# KiCad board line follower simple.kicad_pcb (continued)
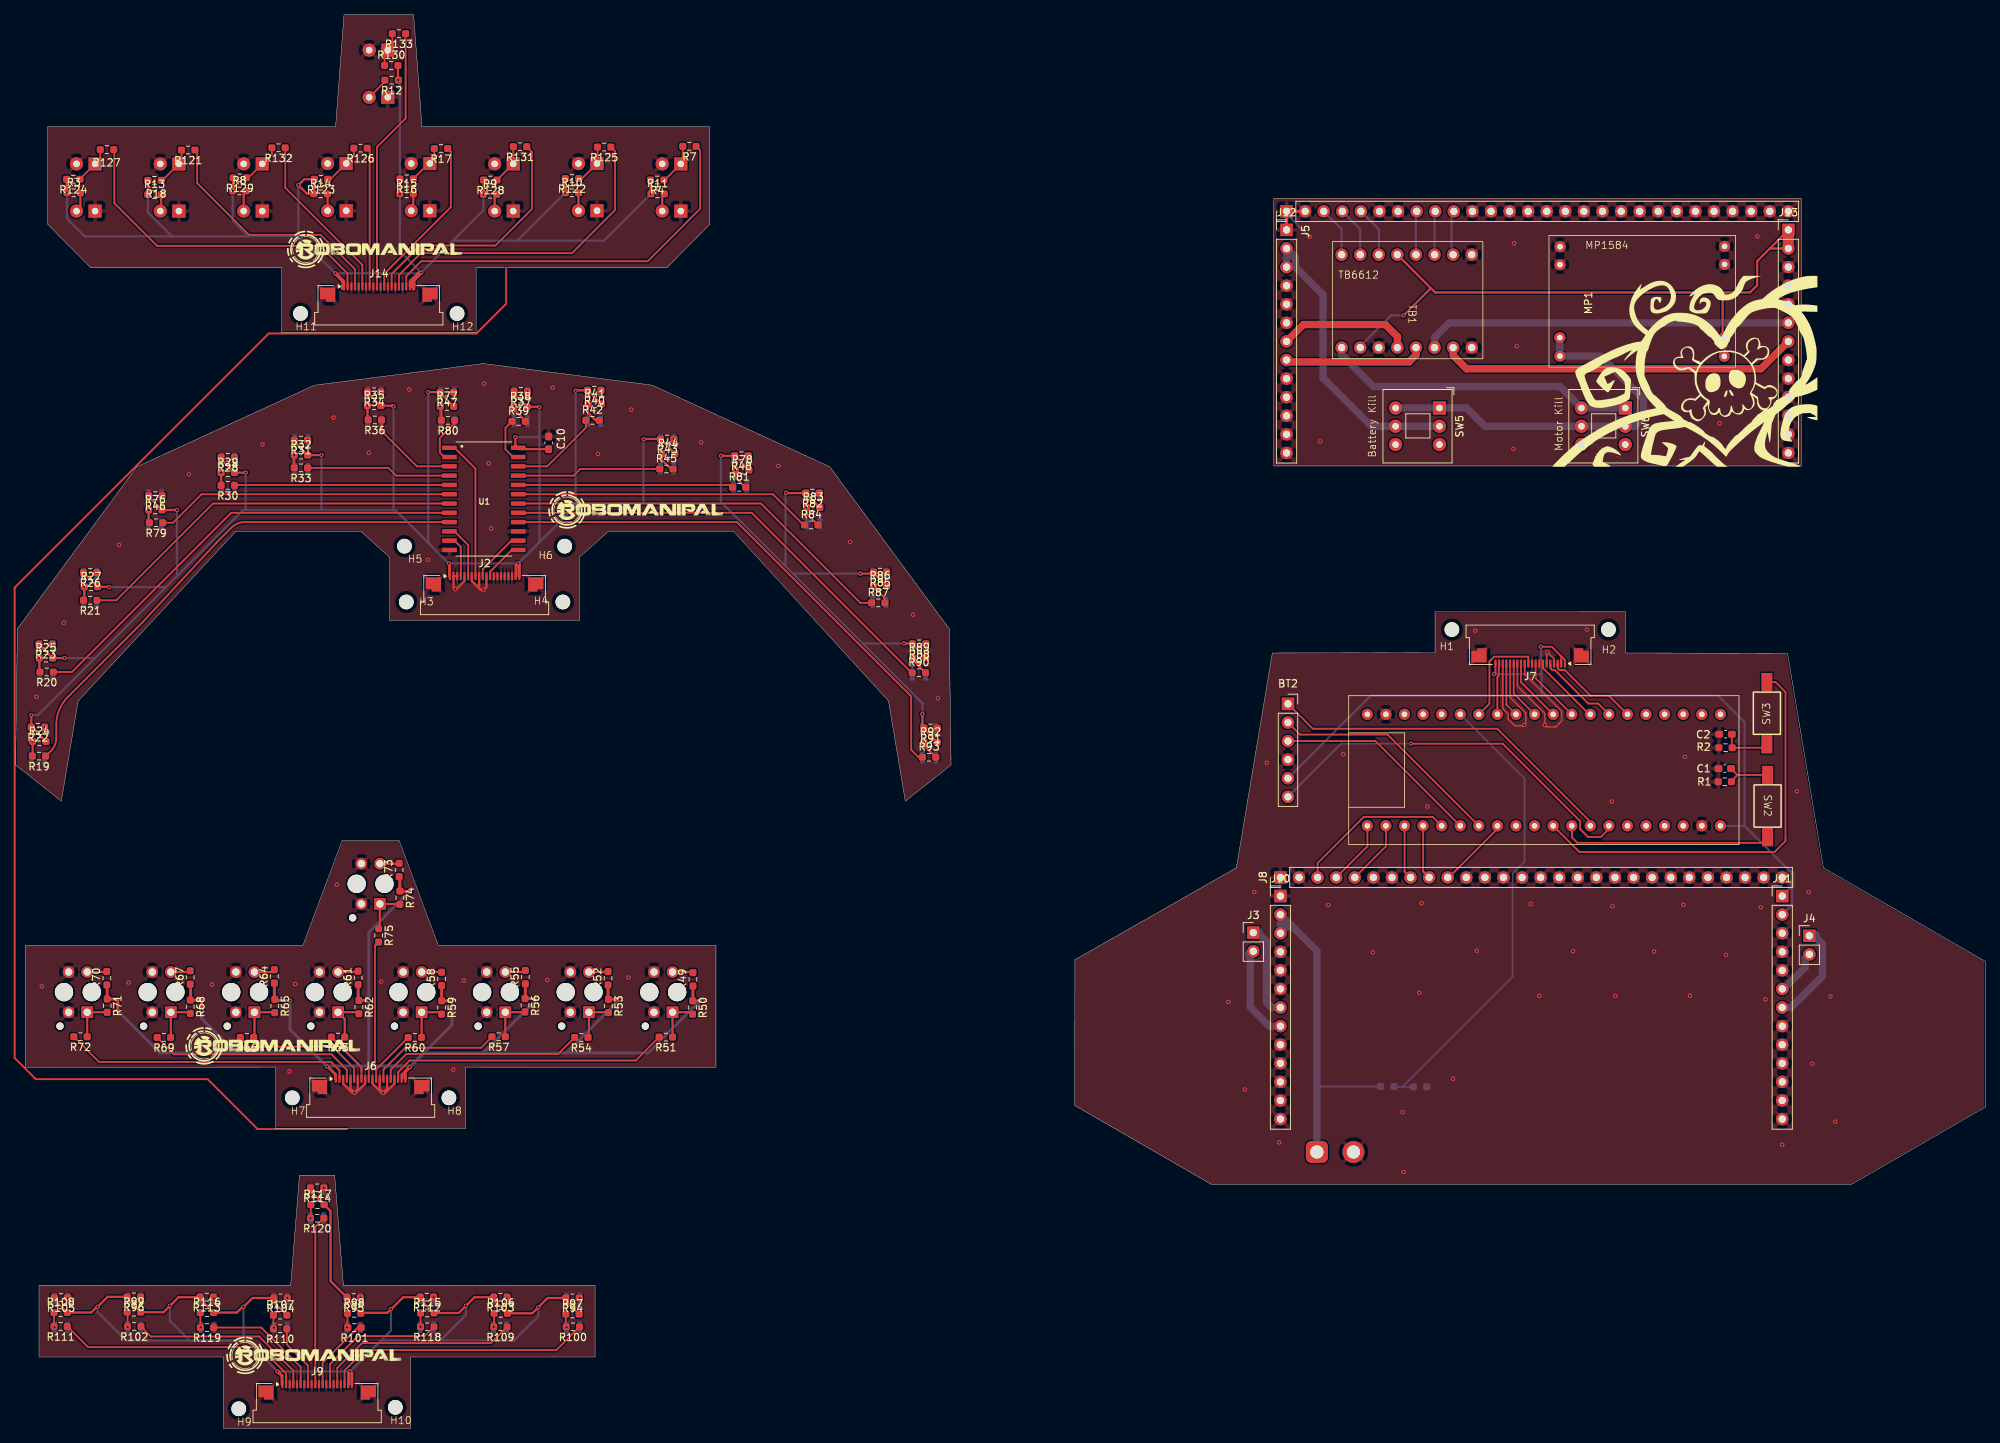
[diagram p0: board, top side]
## Library data of the parts
BT2 MP1 = -: KiLib_Generator: connector/pin_header_socket
C1 C2 C10 = -: Description: Unpolarized capacitor, small symbol; KiLib_Generator: SMD_2terminal_chip_molded; ki_fp_filters: C_*
D1-D9 = -: Description: Light emitting diode; KiLib_Generator: LED/THT; Sim.Pins: 1=K 2=A; ki_fp_filters: LED* LED_SMD:* LED_THT:*
H1-H12 = -: Description: Mounting Hole without connection; ki_fp_filters: MountingHole*
J1 = -: MF: amass; MAXIMUM_PACKAGE_HEIGHT: 10.7mm; CREATOR: DIZAR; Price: None; Package: None; Check_prices: https://www.snapeda.com/parts/XT30UPB-M/AMASS/view-part/?ref=eda; STANDARD: Manufacturer Recommendations; SnapEDA_Link: https://www.snapeda.com/parts/XT30UPB-M/AMASS/view-part/?ref=snap; Description_1: Socket; DC supply; XT30; male; PIN: 2; on PCBs; THT; yellow; 15A; 500V; Availability: In Stock; MANUFACTURER: amass
J2 J6 J7 J9 J14 = -: Description: Generic connectable mounting pin connector, single row, 01x20, script generated (kicad-library-utils/schlib/autogen/connector/); KiLib_Generator: connector/Amphenol; ki_fp_filters: Connector*:*_1x??-1MP*
J3 J4 = -: Description: Generic connector, single row, 01x02, script generated; KiLib_Generator: connector/pin_header_socket; ki_fp_filters: Connector*:*_1x??_*
J5 J8 = -: Description: Generic connector, single row, 01x28, script generated; KiLib_Generator: connector/pin_header_socket; ki_fp_filters: Connector*:*_1x??_*
J10-J13 = -: Description: Generic connector, single row, 01x13, script generated; KiLib_Generator: connector/pin_header_socket; ki_fp_filters: Connector*:*_1x??_*
Q1-Q9 = -: Datasheet: https://www.rcscomponents.kiev.ua/datasheets/bpw40.pdf; Description: Phototransistor NPN; KiLib_Generator: LED/THT; ki_fp_filters: LED*D5.0mm*Clear*
R1-R4 R7-R133 = -: Description: Resistor, small symbol; KiLib_Generator: SMD_2terminal_chip_molded; ki_fp_filters: R_*
R5 R6 = -: Description: Resistor; KiLib_Generator: SMD_2terminal_chip_molded; ki_fp_filters: R_*
SW2 SW3 = -: Description: Push button switch, generic, two pins
SW5 SW6 = -: Description: Momentary Switch, dual pole double throw
U1 = -: ki_fp_filters: SOIC-24 SSOP24
U2 U4-U9 U19 U20 = -: Description: TCRT5000 Series 940 nm 100 mA 60 mA Transistor Output Reflective Optical Sensor; MF: Vishay Semiconductor; PACKAGE: PCB Mount Vishay; PRICE: 0.60 USD; Package: None; Check_prices: https://www.snapeda.com/parts/TCRT5000L/Vishay/view-part/?ref=eda; Price: None; SnapEDA_Link: https://www.snapeda.com/parts/TCRT5000L/Vishay/view-part/?ref=snap; Availability: In Stock; AVAILABILITY: Good; Description_1: Reflective Optical Sensor 0.591 (15mm) PCB Mount
U10-U18 U21-U36 = -: Description: QRE1113 Series 30 V 50 mA Miniature Reflective Object Sensor - SMD-4; MF: ON Semiconductor; PACKAGE: SMD-4 ON Semiconductor; PRICE: None; Package: ARUSM-313-4 ON Semiconductor; Check_prices: https://www.snapeda.com/parts/QRE1113GR/Onsemi/view-part/?ref=eda; STANDARD: IPC-7351B; PARTREV: 5; SnapEDA_Link: https://www.snapeda.com/parts/QRE1113GR/Onsemi/view-part/?ref=snap; Price: None; Description_1: Reflective Optical Sensor 0.039 (1mm) 4-SMD, Gull Wing; Availability: In Stock; AVAILABILITY: Unavailable; MANUFACTURER: ON Semiconductor

## Footprints (pads in the part's own frame, mm; a bottom-side part is the same pattern mirrored in y, then rotated)
2mm hole
  round 2 hole 2 unplated: (-0.762,2.286)
74HC4067-Mux
  rect 2x0.6 smd: P1(-4.7,7) P2(-4.7,5.73) P3(-4.7,4.46) P4(-4.7,3.19) P5(-4.7,1.92) P6(-4.7,0.65) P7(-4.7,-0.62) P8(-4.7,-1.89) P9(-4.7,-3.16) P10(-4.7,-4.43) P11(-4.7,-5.7) P12(-4.7,-6.97) P13(4.7,-6.97) P14(4.7,-5.7) P15(4.7,-4.43) P16(4.7,-3.16) P17(4.7,-1.89) P18(4.7,-0.62) P19(4.7,0.65) P20(4.7,1.92) P21(4.7,3.19) P22(4.7,4.46) P23(4.7,5.73) P24(4.7,7)
AMASS_XT30UPB-M_1x02_P5.0mm_Vertical
  rrect 3x3 hole 1.8: 1(0,0)
  round 3 hole 1.8: 2(5,0)
Amphenol_F32Q-1A7x1-11020_1x20-1MP_P0.5mm_Horizontal
  rrect 0.3x1.1 smd: 1(-4.75,2.9) 2(-4.25,2.9) 3(-3.75,2.9) 4(-3.25,2.9) 5(-2.75,2.9) 6(-2.25,2.9) 7(-1.75,2.9) 8(-1.25,2.9) 9(-0.75,2.9) 10(-0.25,2.9) 11(0.25,2.9) 12(0.75,2.9) 13(1.25,2.9) 14(1.75,2.9) 15(2.25,2.9) 16(2.75,2.9) 17(3.25,2.9) 18(3.75,2.9) 19(4.25,2.9) 20(4.75,2.9)
  custom 2.1x1.95 smd: MP(-7,1.775) MP(7,1.775)
blackpill_fp
  round 1.524 hole 0.762: 1(6.92,24.88) 2(6.92,22.34) 3(6.92,19.8) 4(6.92,17.26) 5(6.92,14.72) 6(6.92,12.18) 7(6.92,9.64) 8(6.92,7.1) 9(6.92,4.56) 10(6.92,2.02) 11(6.92,-0.52) 12(6.92,-3.06) 13(6.92,-5.6) 14(6.92,-8.14) 15(6.92,-10.68) 16(6.92,-13.22) 17(6.92,-15.76) 18(6.92,-18.3) 19(6.92,-20.84) 20(6.92,-23.38) 21(-8.32,24.88) 22(-8.32,22.34) 23(-8.32,19.8) 24(-8.32,17.26) 25(-8.32,14.72) 26(-8.32,12.18) 27(-8.32,9.64) 28(-8.32,7.1) 29(-8.32,4.56) 30(-8.32,2.02) 31(-8.32,-0.52) 32(-8.32,-3.06) 33(-8.32,-5.6) 34(-8.32,-8.14) 35(-8.32,-10.68) 36(-8.32,-13.22) 37(-8.32,-15.76) 38(-8.32,-18.3) 39(-8.32,-20.84) 40(-8.32,-23.38)
C_0603_1608Metric_Pad1.08x0.95mm_HandSolder
  rrect 1.075x0.95 smd: 1(-0.863,0) 2(0.863,0)
LED_D5.0mm_Clear
  rect 1.8x1.8 hole 0.9: 1(0,0)
  round 1.8 hole 0.9: 2(2.54,0)
MP1584_fp
  round 1.524 hole 0.762: 1(9.46,5.48) 2(7,5.5) 3(-2.96,5.52) 4(-5.5,5.5) 5(9.5,-17) 6(7.04,-17) 7(-2.92,-16.98) 8(-5.52,-16.96)
PinHeader_1x02_P2.54mm_Vertical
  rect 1.7x1.7 hole 1: 1(0,0)
  round 1.7 hole 1: 2(0,-2.54)
PinHeader_1x13_P2.54mm_Vertical
  rect 1.7x1.7 hole 1: 1(0,0)
  round 1.7 hole 1: 2(0,-2.54) 3(0,-5.08) 4(0,-7.62) 5(0,-10.16) 6(0,-12.7) 7(0,-15.24) 8(0,-17.78) 9(0,-20.32) 10(0,-22.86) 11(0,-25.4) 12(0,-27.94) 13(0,-30.48)
PinHeader_1x28_P2.54mm_Vertical
  rect 1.7x1.7 hole 1: 1(0,0)
  round 1.7 hole 1: 2(0,-2.54) 3(0,-5.08) 4(0,-7.62) 5(0,-10.16) 6(0,-12.7) 7(0,-15.24) 8(0,-17.78) 9(0,-20.32) 10(0,-22.86) 11(0,-25.4) 12(0,-27.94) 13(0,-30.48) 14(0,-33.02) 15(0,-35.56) 16(0,-38.1) 17(0,-40.64) 18(0,-43.18) 19(0,-45.72) 20(0,-48.26) 21(0,-50.8) 22(0,-53.34) 23(0,-55.88) 24(0,-58.42) 25(0,-60.96) 26(0,-63.5) 27(0,-66.04) 28(0,-68.58)
PinSocket_1x06_P2.54mm_Vertical
  rect 1.7x1.7 hole 1: 1(0,0)
  round 1.7 hole 1: 2(0,-2.54) 3(0,-5.08) 4(0,-7.62) 5(0,-10.16) 6(0,-12.7)
Push button-fp
  rect 2.5x1.5 smd: 1(-4.182,0) 2(4.318,0)
QRE1113-SMD
  rect 0.69x1.57 smd: 1(-0.9,1.975) 2(-0.9,-1.975) 3(0.9,-1.975) 4(0.9,1.975)
R_0603_1608Metric_Pad0.98x0.95mm_HandSolder
  rrect 0.975x0.95 smd: 1(-0.912,0) 2(0.912,0)
SW_Push_2P2T_Toggle_CK_PVA2xxH3xxxxxxV2
  rect 1.8x1.8 hole 0.9: 1(0,0)
  round 1.8 hole 0.9: 2(2.5,0) 3(5,0) 4(0,-6) 5(2.5,-6) 6(5,-6)
TB6612 module
  round 1.7 hole 1: 1(-8.128,8.636) 2(-8.128,6.096) 3(-8.128,3.556) 4(-8.128,1.016) 5(-8.128,-1.524) 6(-8.128,-4.064) 7(-8.128,-6.604) 8(-8.128,-9.144) 9(4.572,8.636) 10(4.572,6.096) 11(4.572,3.556) 12(4.572,1.016) 13(4.572,-1.524) 14(4.572,-4.064) 15(4.572,-6.604) 16(4.572,-9.144)
XDCR_TCRT5000L
  round 1 hole 1 unplated: (-4.65,-2.45)
  round 2.5 hole 2.5 unplated: (0,-1.9) (0,1.9)
  rect 1.6x1.6 hole 1: 1(-2.75,1.27)
  round 1.6 hole 1: 2(-2.75,-1.27) 3(2.75,-1.27) 4(2.75,1.27)

## Nets
+3.3V: BlackPill1.40 BT2.5 C10.1 J2.1 J2.19 J2.20 J6.1 J6.19 J6.20 J7.1 J7.2 J7.20 J9.1 J9.19 J9.20 J11.1 J11.2 J13.1 J13.2 J14.1 J14.19 J14.20 MP1.7 MP1.8 R3.1 R4.2 R8.1 R9.1 R10.1 R11.1 R12.1 R13.1 R14.1 R15.1 R16.2 R18.2 R22.2 R23.2 R24.2 R25.2 R26.2 R27.2 R28.2 R29.2 R31.2 R32.2 R34.2 R35.2 R37.2 R38.2 R40.2 R41.2 R43.2 R44.2 R46.2 R47.2 R48.2 R49.1 R50.1 R52.1 R53.1 R55.1 R56.1 R58.1 R59.1 R61.1 R62.1 R64.1 R65.1 R67.1 R68.1 R70.1 R71.1 R73.1 R74.1 R76.2 R77.2 R78.2 R82.2 R83.2 R85.2 R86.2 R88.2 R89.2 R91.2 R92.2 R94.2 R95.2 R96.2 R97.2 R98.2 R99.2 R103.2 R104.2 R105.2 R106.2 R107.2 R108.2 R112.2 R113.2 R114.2 R115.2 R116.2 R117.2 R122.2 R123.2 R124.2 R128.2 R129.2 R130.2 TB1.5 TB1.15 U1.P24
GND: BlackPill1.2 BlackPill1.39 BT2.4 C1.2 C2.2 C10.2 D1.1 D2.1 D3.1 D4.1 D5.1 D6.1 D7.1 D8.1 D9.1 J1.2 J2.2 J2.3 J2.5 J2.7 J2.9 J2.11 J2.13 J2.14 J2.15 J2.16 J2.17 J2.18 J2.MP J5.1 J5.2 J5.6 J5.7 J5.11 J5.12 J5.13 J5.14 J5.15 J5.16 J5.17 J5.18 J5.19 J5.20 J5.21 J5.22 J5.23 J5.24 J5.25 J5.26 J5.27 J5.28 J6.3 J6.5 J6.7 J6.9 J6.11 J6.13 J6.15 J6.17 J6.MP J7.4 J7.6 J7.8 J7.10 J7.12 J7.14 J7.16 J7.18 J7.MP J8.1 J8.2 J8.6 J8.7 J8.11 J8.12 J8.13 J8.14 J8.15 J8.16 J8.17 J8.18 J8.19 J8.20 J8.21 J8.22 J8.23 J8.24 J8.25 J8.26 J8.27 J8.28 J9.3 J9.5 J9.7 J9.9 J9.11 J9.13 J9.15 J9.17 J9.MP J10.1 J10.4 J10.5 J10.6 J10.9 J10.10 J10.11 J10.12 J10.13 J11.3 J11.4 J11.5 J11.8 J11.9 J11.10 J11.11 J11.12 J11.13 J12.1 J12.4 J12.5 J12.6 J12.9 J12.10 J12.11 J12.12 J12.13 J13.3 J13.4 J13.5 J13.8 J13.9 J13.10 J13.11 J13.12 J13.13 J14.3 J14.5 J14.7 J14.9 J14.11 J14.13 J14.15 J14.17 J14.MP MP1.1 MP1.2 MP1.5 MP1.6 Q1.2 Q2.2 Q3.2 Q4.2 Q5.2 Q6.2 Q7.2 Q8.2 Q9.2 R1.2 R2.2 R6.1 TB1.1 TB1.9 TB1.14 U1.P12 U1.P15 U2.2 U2.3 U4.2 U4.3 U5.2 U5.3 U6.2 U6.3 U7.2 U7.3 U8.2 U8.3 U9.2 U9.3 U10.2 U10.4 U11.2 U11.4 U12.2 U12.4 U13.2 U13.4 U14.2 U14.4 U15.2 U15.4 U16.2 U16.4 U17.2 U17.4 U18.2 U18.4 U19.2 U19.3 U20.2 U20.3 U21.2 U21.4 U22.2 U22.4 U23.2 U23.4 U24.2 U24.4 U25.2 U25.4 U26.2 U26.4 U27.2 U27.4 U28.2 U28.4 U29.2 U29.4 U30.2 U30.4 U31.2 U31.4 U32.2 U32.4 U33.2 U33.4 U34.2 U34.4 U35.2 U35.4 U36.2 U36.4
AIN1: BlackPill1.22 J8.5
AIN1_t: J5.5 TB1.6
AIN2: BlackPill1.21 J8.4
AIN2_t: J5.4 TB1.7
BAT+: J1.1 J10.2 J10.3 R5.2
BAT+_Driver: SW6.1 SW6.4 TB1.16
BAT+_out: MP1.3 MP1.4 SW5.1 SW5.4 SW6.2 SW6.5
BAT+_t: J12.2 J12.3 SW5.2 SW5.5
BAT_SNS: BlackPill1.6 R5.1 R6.2
BIN1: BlackPill1.23 J8.8
BIN1_t: J5.8 TB1.4
BIN2: BlackPill1.24 J8.9
BIN2_t: J5.9 TB1.3
Button1: BlackPill1.32 SW2.2
Button2: BlackPill1.31 SW3.2
COM_mux: J2.8 U1.P1
EN: BlackPill1.34 BT2.6
L1: J14.18 R7.1
L2: J14.16 R125.1
L3: J14.14 R131.1
L4: J14.12 R17.1
L5: J14.8 R126.1
L6: J14.6 R132.1
L7: J14.4 R121.1
L8: J14.2 R127.1
L9: J14.10 R133.1
Motor1+: J3.1 J10.7
Motor1+_t: J12.7 TB1.13
Motor1-: J3.2 J10.8
Motor1-_t: J12.8 TB1.12
Motor2+: J4.1 J11.7
Motor2+_t: J13.7 TB1.10
Motor2-: J4.2 J11.6
Motor2-_t: J13.6 TB1.11
N1: J9.18 R100.1
N2: J9.16 R109.1
N3: J9.14 R118.1
N4: J9.12 R101.1
N5: J9.8 R110.1
N6: J9.6 R119.1
N7: J9.4 R102.1
N8: J9.2 R111.1
N9: J9.10 R120.1
PWMA: BlackPill1.25 J8.3
PWMA_t: J5.3 TB1.8
PWMB: BlackPill1.28 J8.10
PWMB_t: J5.10 TB1.2
Q1: R19.1 U1.P9
Q2: R20.1 U1.P8
Q3: R21.1 U1.P7
Q4: R79.1 U1.P6
Q5: R30.1 U1.P5
Q6: R33.1 U1.P4
Q7: R36.1 U1.P3
Q8: R80.1 U1.P2
Q9: R39.1 U1.P23
Q10: R42.1 U1.P22
Q11: R45.1 U1.P21
Q12: R81.1 U1.P20
Q13: R84.1 U1.P19
Q14: R87.1 U1.P18
Q15: R90.1 U1.P17
Q16: R93.1 U1.P16
RXD: BlackPill1.26 BT2.3
S0_mux: J2.6 U1.P10
S1_mux: J2.4 U1.P11
S2_mux: J2.10 U1.P14
S3_mux: J2.12 U1.P13
SNSR1: BlackPill1.15 J7.3
SNSR2: BlackPill1.14 J7.5
SNSR3: BlackPill1.13 J7.7
SNSR4: BlackPill1.12 J7.9
SNSR5: BlackPill1.11 J7.13
SNSR6: BlackPill1.10 J7.15
SNSR7: BlackPill1.9 J7.17
SNSR8: BlackPill1.8 J7.19
SNSR9: BlackPill1.7 J7.11
STATE: BlackPill1.33 BT2.1
T1: J6.18 R51.2
T2: J6.16 R54.2
T3: J6.14 R57.2
T4: J6.12 R60.2
T5: J6.8 R63.2
T6: J6.6 R66.2
T7: J6.4 R69.2
T8: J6.2 R72.2
T9: J6.10 R75.2
TXD: BlackPill1.27 BT2.2
Net-(C1-Pad1): C1.1 R1.1 SW2.1
Net-(C2-Pad1): C2.1 R2.1 SW3.1
Net-(D1-A): D1.2 R3.2
Net-(D2-A): D2.2 R8.2
Net-(D3-A): D3.2 R9.2
Net-(D4-A): D4.2 R10.2
Net-(D5-A): D5.2 R11.2
Net-(D6-A): D6.2 R12.2
Net-(D7-A): D7.2 R13.2
Net-(D8-A): D8.2 R14.2
Net-(D9-A): D9.2 R15.2
Net-(Q1-C): Q1.1 R4.1 R7.2
Net-(Q2-C): Q2.1 R16.1 R17.2
Net-(Q3-C): Q3.1 R18.1 R121.2
Net-(Q4-C): Q4.1 R122.1 R125.2
Net-(Q5-C): Q5.1 R123.1 R126.2
Net-(Q6-C): Q6.1 R124.1 R127.2
Net-(Q7-C): Q7.1 R128.1 R131.2
Net-(Q8-C): Q8.1 R129.1 R132.2
Net-(Q9-C): Q9.1 R130.1 R133.2
Net-(R19-Pad2): R19.2 R24.1 U10.3
Net-(R20-Pad2): R20.2 R25.1 U11.3
Net-(R21-Pad2): R21.2 R27.1 U12.3
Net-(R22-Pad1): R22.1 U10.1
Net-(R23-Pad1): R23.1 U11.1
Net-(R26-Pad1): R26.1 U12.1
Net-(R28-Pad1): R28.1 U13.1
Net-(R29-Pad1): R29.1 R30.2 U13.3
Net-(R31-Pad1): R31.1 U14.1
Net-(R32-Pad1): R32.1 R33.2 U14.3
Net-(R34-Pad1): R34.1 U15.1
Net-(R35-Pad1): R35.1 R36.2 U15.3
Net-(R37-Pad1): R37.1 U16.1
Net-(R38-Pad1): R38.1 R39.2 U16.3
Net-(R40-Pad1): R40.1 U17.1
Net-(R41-Pad1): R41.1 R42.2 U17.3
Net-(R43-Pad1): R43.1 U18.1
Net-(R44-Pad1): R44.1 R45.2 U18.3
Net-(R46-Pad1): R46.1 U21.1
Net-(R47-Pad1): R47.1 U22.1
Net-(R48-Pad1): R48.1 U23.1
Net-(R49-Pad2): R49.2 U2.4
Net-(R50-Pad2): R50.2 R51.1 U2.1
Net-(R52-Pad2): R52.2 U4.4
Net-(R53-Pad2): R53.2 R54.1 U4.1
Net-(R55-Pad2): R55.2 U5.4
Net-(R56-Pad2): R56.2 R57.1 U5.1
Net-(R58-Pad2): R58.2 U6.4
Net-(R59-Pad2): R59.2 R60.1 U6.1
Net-(R61-Pad2): R61.2 U7.4
Net-(R62-Pad2): R62.2 R63.1 U7.1
Net-(R64-Pad2): R64.2 U8.4
Net-(R65-Pad2): R65.2 R66.1 U8.1
Net-(R67-Pad2): R67.2 U9.4
Net-(R68-Pad2): R68.2 R69.1 U9.1
Net-(R70-Pad2): R70.2 U19.4
Net-(R71-Pad2): R71.2 R72.1 U19.1
Net-(R73-Pad2): R73.2 U20.4
Net-(R74-Pad2): R74.2 R75.1 U20.1
Net-(R76-Pad1): R76.1 R79.2 U21.3
Net-(R77-Pad1): R77.1 R80.2 U22.3
Net-(R78-Pad1): R78.1 R81.2 U23.3
Net-(R82-Pad1): R82.1 U24.1
Net-(R83-Pad1): R83.1 R84.2 U24.3
Net-(R85-Pad1): R85.1 U25.1
Net-(R86-Pad1): R86.1 R87.2 U25.3
Net-(R88-Pad1): R88.1 U26.1
Net-(R89-Pad1): R89.1 R90.2 U26.3
Net-(R91-Pad1): R91.1 U27.1
Net-(R92-Pad1): R92.1 R93.2 U27.3
Net-(R94-Pad1): R94.1 U28.1
Net-(R95-Pad1): R95.1 U29.1
Net-(R96-Pad1): R96.1 U30.1
Net-(R100-Pad2): R97.1 R100.2 U28.3
Net-(R101-Pad2): R98.1 R101.2 U29.3
Net-(R102-Pad2): R99.1 R102.2 U30.3
Net-(R103-Pad1): R103.1 U31.1
Net-(R104-Pad1): R104.1 U32.1
Net-(R105-Pad1): R105.1 U33.1
Net-(R106-Pad1): R106.1 R109.2 U31.3
Net-(R107-Pad1): R107.1 R110.2 U32.3
Net-(R108-Pad1): R108.1 R111.2 U33.3
Net-(R112-Pad1): R112.1 U34.1
Net-(R113-Pad1): R113.1 U35.1
Net-(R114-Pad1): R114.1 U36.1
Net-(R115-Pad1): R115.1 R118.2 U34.3
Net-(R116-Pad1): R116.1 R119.2 U35.3
Net-(R117-Pad1): R117.1 R120.2 U36.3

Pads without a net: BlackPill1 1 3 4 5 16 17 18 19 20 29 30 35 36 37 38; SW5 3 6; SW6 3 6

## Via types
v1: diameter 0.6, hole 0.3, Top to Bottom, 185 vias

## Routing (per net, layer and track width the routed paths; a pad name or vN(x,y) marks a point on that pad's centre or on a via; arc(x,y) is an arc through that point)
+3.3V: length 1198.9
  Top w0.25: J7.20 202.25,103.23 202.1,103.08 v1(202.06,103.08) 202.18,103.2 ; J7.1 211.75,105.03 211.15,105.63 ; v1(208.45,106.83) 209.95,106.83 211.15,105.63 ; 211.15,105.63 211.25,105.53 J7.2 ; 202.28,104.45 202.25,104.48
  Top w0.3: J13.1 239.85,161.36 ; 239.85,161.36 239.96,161.26 J13.2 ; 239.85,161.36 238.03,159.54 238.03,156.23 237.05,155.25 194.01,155.25 188.87,160.4 ; 76.6,141.88 R40.2 80.04,140.03 ; v1(121.4,107.28) 122.54,107.28 ; R97.2 75.2,17.45 R94.2 72.72,17.83 v1(71.45,16.55) 70.62,15.73 R106.2 65.35,17.6 R103.2 62.73,17.93 v1(61.55,16.75) 60.57,15.78 R115.2 55.3,17.65 R112.2 52.98,17.93 51.35,16.3 v1(51.3,16.3) 50.8,15.8 47.25,15.8 R98.2 45.3,17.6 R95.2 43.05,20.12 43.05,29.7 R117.2 40.3,32.45 R114.2 ; 3.19,107.15 R25.2 v1(6.7,105.28) ; R130.2 52.25,184.32 v1(52.3,184.27) ; v1(7.03,168.87) 6.98,168.92 R124.2 ; v1(86.83,168.72) 86.78,168.77 R4.2 ; v1(29.68,169.12) 29.73,169.17 R129.2 ; v1(115.45,116.83) 117.04,116.83 ; v1(31.45,130.62) R29.2 28.09,132.45 ; R122.2 v1(75.13,168.87) ; 71.55,139.62 R38.2 68.14,141.4 ; 12.75,115.03 R27.2 9.29,116.95 ; R18.2 v1(18.08,168.62) ; 193.4,155.81 v1(189.7,152.12) ; 90.11,133.25 R43.2 85.9,135.23 ; 117.24,116.95 R86.2 ; v1(41.8,133.03) R32.2 38.09,134.85 ; R128.2 63.98,168.72 v1(63.93,168.67) ; v1(22.05,125.53) R76.2 18.19,127.35 ; 122.59,107.15 R89.2 ; 58.04,141.5 R77.2 ; C10.1 68.89,133.83 U1.P24 68.3,134.43 v1(68.3,135.48) ; 48.09,141.6 R35.2 51.55,139.78 ; J6.1 43.77,48.03 ; v1(96.4,132.93) R48.2 100.21,131 ; 233.3,155.25 233.3,149.37 ; 124.14,95.6 R92.2 ; v1(123.95,97.63) 123.95,95.91 ; R16.2 v1(52.53,168.72) ; 107.99,127.8 R83.2 ; R105.2 5.3,17.6 R108.2 10.33,15.83 11.1,16.6 v1(11.2,16.6) 12.58,17.98 R96.2 15.25,17.7 R99.2 20.23,15.88 v1(21.1,16.75) 22.27,17.93 R113.2 25.2,17.7 R116.2 30.23,15.83 31,16.6 v1(31.15,16.6) 32.38,17.83 R104.2 35.3,17.25 R107.2 37.1,15.45 ; R82.2 105.35,127.83 ; R47.2 v1(56.4,141.62) ; 2.21,95.83 R24.2 ; v1(2.15,97.48) 2.15,95.84 ; R123.2 40.83,168.77 R14.1 39.84,168.72 v1(38.64,169.92) 39.44,170.72 R123.2
  Top w0.4: R49.1 92.57,58.49 R50.1 93.91,58.44 v1(93.92,58.43) ; R47.2 58.04,141.5 ; R52.1 80.97,58.69 R53.1 82.56,58.64 v1(82.57,58.62) ; 105.35,127.83 v1(105.3,127.88) ; 52.52,75.41 R74.1 52.58,73.38 v1(53.87,73.38) ; R58.1 R59.1 58.23,58.43 v1(59.62,58.43) ; R26.2 9.29,116.95 ; 68.4,116.48 68.4,117.93 v1(68.7,118.23) 68.85,118.08 J2.20 ; 36.41,6.03 36.41,7.18 v1(35.81,7.78) ; R55.1 69.67,58.79 R56.1 71.31,58.74 v1(71.32,58.73) ; R34.2 48.09,141.6 ; R41.2 80.04,140.03 ; 117.04,116.83 R85.2 117.24,116.95 ; 51.55,139.78 v1(51.65,139.68) ; R82.2 107.99,127.8 ; R46.2 18.19,127.35 ; R70.1 12.52,60.56 R71.1 13.96,58.69 13.97,58.68 v1(13.97,57.03) ; 52.82,47.78 52.82,48.33 v1(53.87,49.38) 53.27,48.78 J6.20 ; R44.2 90.11,133.25 ; R61.1 46.82,58.59 R62.1 v1(48.27,58.49) ; R67.1 23.92,60.66 23.92,58.59 R68.1 25.38,58.54 25.42,58.5 v1(25.42,57.13) ; R23.2 3.19,107.15 ; v1(59.2,118.23) 59.3,118.13 59.3,116.48 ; J9.20 45.96,7.53 v1(45.71,7.78) 45.51,7.58 45.51,6.03 ; 2.15,95.84 R22.2 2.21,95.83 ; 122.59,107.15 R88.2 122.54,107.28 ; v1(42.57,49.45) 42.65,49.45 43.72,48.38 43.72,47.78 ; R31.2 38.09,134.85 ; R78.2 100.21,131 ; 71.55,139.62 v1(71.6,139.58) ; v1(37.52,58.48) 35.58,58.48 R65.1 35.37,58.69 R64.1 ; 76.6,141.88 v1(76.55,141.83) ; R28.2 28.09,132.45 ; 124.14,95.6 R91.2 123.95,95.91 ; 85.9,135.23 v1(85.85,135.18) ; 12.75,115.03 v1(12.8,114.98) ; R37.2 68.14,141.4
  Top w0.5: 53.99,156.07 53.99,156.77 55.2,157.97 v1(55.44,157.97) 54.39,156.92 54.39,156.37 ; 44.79,156.27 44.79,156.77 v1(43.69,157.87) ; 54.39,156.37 54.39,155.78 ; 54.39,156.37 J14.20 ; 44.69,155.82 44.69,156.17
  Top w0.6: 233.3,149.37 MP1.7 ; 188.87,160.4 188.87,160.62
  Top w1.5: J13.2 J13.1
  Bottom w0.25: v1(202.06,103.08) 208.4,103.08 208.55,103.23
  Bottom w0.3: v1(45.71,7.78) 51.3,13.36 v1(51.3,16.3) ; v1(45.71,7.78) 49.94,12 58.05,12 ; v1(45.71,7.78) v1(35.81,7.78) 32.24,11.34 ; v1(51.65,139.68) 51.65,125.48 51.95,125.48 ; v1(55.44,157.97) 55.34,157.87 v1(43.69,157.87) 38.64,162.92 ; v1(55.44,157.97) 52.53,160.89 v1(52.53,168.72) 52.53,184.05 v1(52.3,184.27) ; v1(55.44,157.97) 59.79,162.32 ; v1(21.1,16.75) 21.1,14.7 23.8,12 31.5,12 31.54,12.04 ; 71.6,135.48 v1(68.3,135.48) ; 71.6,135.48 71.6,121.13 ; 71.6,135.48 v1(71.6,139.58) ; 71.6,121.13 v1(68.7,118.23) v1(59.2,118.23) 56.4,121.03 ; 71.6,121.13 76.55,126.08 ; 32.24,11.34 31.54,12.04 ; 32.24,11.34 31.59,12 15.1,12 11.2,15.9 v1(11.2,16.6) ; 242.8,74.11 J11.1 ; 31.54,12.04 31.15,12.44 v1(31.15,16.6) ; v1(61.55,16.75) 61.55,15.5 58.05,12 ; v1(189.7,152.12) 187.98,152.12 183.77,147.91 ; 76.55,126.08 76.55,126.48 76.6,126.43 96.6,126.43 105.22,117.8 105.22,127.8 ; 76.55,126.08 v1(76.55,141.83) ; J11.2 242.8,71.57 242.8,75.86 236.3,82.36 ; 104.75,118.28 123.95,99.08 v1(123.95,97.63) ; 51.95,125.48 56.4,121.03 ; 51.95,125.48 31.05,125.48 22.05,116.48 ; 59.79,162.32 68.58,162.32 ; 59.79,162.32 63.93,166.46 v1(63.93,168.67) ; 68.58,162.32 v1(75.13,168.87) ; 68.58,162.32 80.43,162.32 v1(86.83,168.72) ; 56.4,121.03 v1(56.4,141.62) ; v1(71.45,16.55) 71.45,15.35 68.1,12 58.05,12 ; 10.85,105.28 3.05,97.48 v1(2.15,97.48) ; 10.85,105.28 v1(6.7,105.28) ; 10.85,105.28 20.55,114.98 ; 85.8,135.12 85.8,126.43 ; 38.64,162.92 v1(38.64,169.92) ; 38.64,162.92 31.79,162.92 ; 208.55,101.73 208.55,100.13 ; 31.79,162.92 29.68,165.04 v1(29.68,169.12) ; 31.79,162.92 21.39,162.92 ; 22.05,116.48 v1(22.05,125.53) ; 22.05,116.48 20.55,114.98 ; v1(41.8,133.03) 41.8,125.53 ; 208.55,101.43 208.55,104.58 208.5,104.63 208.5,106.78 v1(208.45,106.83) ; v1(115.45,116.83) 106.2,116.83 ; MP1.7 233.55,146.55 ; v1(31.45,130.62) 31.45,125.48 ; BlackPill1.40 236.3,82.36 ; 236.3,82.36 236.3,96.53 232.7,100.13 185.17,100.13 BT2.5 ; 21.39,162.92 9.44,162.92 7.03,165.34 v1(7.03,168.87) ; 21.39,162.92 18.08,166.24 v1(18.08,168.62) ; 20.55,114.98 v1(12.8,114.98) ; v1(96.4,132.93) 96.4,126.43 ; v1(121.4,107.28) 115.75,107.28
  Bottom w0.4: 75.27,51.33 86.42,51.33 93.52,58.43 v1(93.92,58.43) ; 75.27,51.33 v1(82.57,58.62) ; 75.27,51.33 63.92,51.33 ; 63.92,51.33 55.82,51.33 v1(53.87,49.38) ; 63.92,51.33 v1(71.32,58.73) ; v1(59.62,58.43) 59.62,55.12 v1(53.87,49.38) ; 53.97,73.28 v1(53.87,73.38) 48.27,67.78 v1(48.27,58.49) 48.27,49.53 ; v1(85.85,135.18) 85.8,135.12 ; v1(13.97,57.03) 19.67,51.33 30.66,51.33 30.11,51.33 25.42,56.01 v1(25.42,57.13) ; v1(53.87,49.38) 53.72,49.53 48.27,49.53 ; v1(37.52,58.48) 37.52,54.5 v1(42.57,49.45) ; 30.26,51.33 40.7,51.33 v1(42.57,49.45) ; v1(42.57,49.45) 42.65,49.53 48.27,49.53 ; v1(105.3,127.88) 105.22,127.8
  Bottom w0.6: 183.77,147.91 TB1.15 ; 242.8,75.86 242.8,74.11
  Bottom w1.5: 233.55,146.55 MP1.8
GND: length 87.2
  Top w0.2: J7.14 205.25,101.45 209,97.7 v1(209,96.13) 209.25,95.88 210.5,95.88 211.3,96.68 211.3,98.03 206.25,103.08 J7.12 ; J7.18 203.25,98.37 204,97.62 204,96.93 204.9,96.03 205.95,96.03 206.05,96.13 v1(206.2,96.13) 206.4,96.33 206.4,97.76 204.25,99.91 J7.16 ; J7.4 210.25,105.18 v1(209.35,106.08) 209.25,105.98 J7.6
  Top w0.3: v1(50.22,45.88) 49.77,46.33 J6.13 ; v1(50.22,45.88) 50.52,45.88 51.77,47.12 J6.17 ; v1(50.22,45.88) 50.02,45.88 48.77,47.12 J6.11 ; v1(50.22,45.88) 50.77,46.43 J6.15 ; J6.3 44.77,47.12 46.02,45.88 v1(46.32,45.88) ; 63.58,114.6 v1(63.95,114.6) 64.35,115 J2.11 ; 63.58,114.6 63.35,114.82 J2.9 ; 63.58,114.6 62.35,115.82 J2.7 ; J6.9 47.77,47.12 46.52,45.88 v1(46.32,45.88) ; J6.7 46.77,46.33 v1(46.32,45.88) ; J2.3 J2.2 59.85,114.95 v1(60.1,114.7) 60.22,114.7 61.35,115.82 J2.5 ; v1(46.32,45.88) 45.77,46.43 J6.5
  Top w0.4: 68,122.6 U1.P15 ; J12.1 J5.1 J5.2
  Bottom w0.3: J5.1 173.7,166.01 v1(176.85,162.87)
  vias: v1(2.85,100) v1(3.57,60.43) v1(6.6,110.1) v1(14.15,120.75) v1(15.42,60.93) v1(23.7,130.4) v1(26.82,60.68) v1(33.75,134.5) v1(37.42,48.78) v1(38.22,60.73) v1(43.45,138.15) v1(43.92,74.33) v1(48.3,133.35) v1(49.97,61.08) v1(53.8,142) v1(56.35,118.7) v1(59.82,49.03) v1(61.27,61.23) v1(64.05,142.8) v1(64.65,131.9) v1(65,123) v1(72.35,119.1) v1(72.67,61.28) v1(73.4,142.25) v1(79.6,133.2) v1(83.77,61.62) v1(84.15,139.25) v1(93.7,134.75) v1(104.25,131.55) v1(114.05,121.15) v1(122.65,111.2) v1(126.05,99.8) v1(165.75,58.28) v1(168,46.33) v1(169.3,73.33) v1(171,90.98) v1(172.7,39.08) v1(178.3,134.92) v1(179.4,71.53) v1(181.45,92.13) v1(185.5,65.08) v1(189.55,43.23) v1(189.7,35.03) v1(191.85,59.53) v1(192.15,71.78) v1(192.95,84.98) v1(196.45,47.78) v1(199.5,109.03) v1(199.7,65.28) v1(204.7,133.87) v1(204.8,161.97) v1(205.15,147.92) v1(207.1,71.68) v1(208.25,59.12) v1(212.85,65.23) v1(214.75,109.18) v1(218.15,85.68) v1(218.25,71.38) v1(218.65,59.12) v1(223.95,65.18) v1(227.95,71.58) v1(228.15,91.78) v1(228.85,59.12) v1(232.9,137.37) v1(233.75,64.73) v1(238.05,162.92) v1(238.5,71.23) v1(239.15,58.62) v1(241.45,38.78) v1(243.45,87.08) v1(245.05,73.28) v1(245.55,49.83) v1(248.05,59.03) v1(248.7,41.93)
(no net): length 201.7
  Top w0.25: 67.05,158.48 67.05,153.71 62.99,149.65 34.61,149.65 -0.13,114.91 -0.13,50.62 2.77,47.73 26.25,47.73 33.08,40.9 45.27,40.9
AIN1: length 8.8
  Top w0.25: J8.5 187.29,79.56 187.29,82.34
  Top w0.3: BlackPill1.22 187.29,82.34
AIN1_t: length 7
  Bottom w0.3: J5.5 186.33,163.87 186.33,160.43 TB1.6
AIN2: length 8.8
  Top w0.25: 184.75,82.34 184.75,79.56 J8.4
  Top w0.3: 184.75,82.34 BlackPill1.21
AIN2_t: length 6.7
  Bottom w0.3: 183.79,160.62 183.77,160.64 183.77,163.89 J5.4
BAT+: length 47.9
  Bottom w0.25: R5.2 178.15,46.73
  Bottom w0.6: 178.15,46.73 177.85,46.43
  Bottom w1: 174.51,68.58 177.85,65.24 J1.1 ; 174.51,68.58 J10.2 J10.3 173.77,68.58 174.51,68.58
BAT+_Driver: length 42.8
  Bottom w1: SW6.1 SW6.4 211.08,142.39 185.58,142.39 181.25,146.72 181.25,147.7
  Bottom w1.5: TB1.16 181.25,147.7
BAT+_out: length 54.3
  Bottom w1: SW5.4 SW5.1 198.3,139.46 200.8,136.96 SW6.5 SW6.2 221.28,136.96 222.48,138.17 222.48,140.69 216.62,146.55 MP1.4 ; MP1.3 211.05,146.56
  Bottom w1.5: 211.05,146.56 MP1.4
BAT+_t: length 42.1
  Bottom w1: SW5.2 SW5.5 185.29,136.96 178.68,143.58 178.68,154.95 174.91,158.72 ; 174.91,158.72 174.91,160.06 J12.2 J12.3 174.91,158.72
BAT_SNS: length 64.2
  Bottom w0.25: 189.55,46.68 189.5,46.68 R6.2 ; 189.55,46.68 188.41,46.68 ; 189.55,46.68 204.6,61.72 204.6,75.81 206.24,77.45 206.24,88.8 197.85,97.19
  Bottom w0.3: 188.41,46.68 R5.1 ; 190.99,46.73 R6.2
  Bottom w0.4: 197.85,97.19 197.45,97.19
BIN1: length 7.4
  Top w0.25: 189.83,82.34 189.83,76.11
  Top w0.3: BlackPill1.23 189.83,82.34 ; 189.83,76.11 J8.8
BIN1_t: length 5.8
  Bottom w0.3: 191.41,160.62 191.39,160.64 191.39,166.24 J5.8
BIN2: length 7.4
  Top w0.25: 192.37,82.34 192.37,76.11
  Top w0.3: 192.37,76.11 J8.9 ; BlackPill1.24 192.37,82.34
BIN2_t: length 5.8
  Bottom w0.3: 193.95,160.62 193.93,160.64 193.93,166.24 J5.9
Button1: length 29
  Top w0.25: 212.69,82.34 212.69,81.43 212.7,81.43 212.7,80.78 213.45,80.03 238.67,80.03 SW2.2
  Top w0.3: BlackPill1.32 212.69,82.34
Button2: length 57.3
  Top w0.25: BlackPill1.31 213.72,78.78 240.4,78.78 241.9,80.28 241.9,100.63 240.53,101.99 SW3.2
COM_mux: length 19.4
  Top w0.25: J2.8 62.85,131.18 60,134.03 U1.P1
EN: length 53.7
  Top w0.25: v1(190.7,93.58) 203.25,93.58 213.82,83 213.82,81.92 214.91,80.84 216.66,80.84 217.76,81.93
  Top w0.3: BlackPill1.34 217.76,81.93
  Bottom w0.25: v1(190.7,93.58) 181.16,93.58
  Bottom w0.3: 181.16,93.58 BT2.6
L1: length 54.2
  Top w0.25: J14.18 53.39,157.47 55.44,159.52 86.39,159.52 93.56,166.7 93.56,174.66 R7.1
L2: length 43.6
  Top w0.25: R125.1 81.91,174.56 81.91,166.5 76.04,160.62 55.39,160.62 52.39,157.62 J14.16
L3: length 33.4
  Top w0.25: J14.14 51.39,157.77 55.29,161.67 65.59,161.67 70.56,166.65 70.56,174.46 R131.1
L4: length 22.8
  Top w0.25: R17.1 59.49,174.49 59.49,166.92 50.39,157.82 J14.12
L5: length 19
  Top w0.25: R126.1 48.39,174.64 J14.8
L6: length 23.3
  Top w0.25: J14.6 47.39,159.02 36.85,169.56 R132.1
L7: length 33.5
  Top w0.25: R121.1 24.82,174.41 24.82,170.2 31.89,163.12 41.69,163.12 46.39,158.42 J14.4 46.37,156.1
L8: length 45
  Top w0.25: R127.1 13.49,174.69 13.49,167.47 19.34,161.62 41.59,161.62 45.37,157.85 45.37,156.1 J14.2
L9: length 36.2
  Top w0.25: R133.1 53.3,179.04 49.39,175.12 J14.10 49.41,156.1
Motor1+: length 12.8
  Bottom w1: J10.7 171.67,57.52 170.96,58.22 170.96,66.51 169.72,67.75
  Bottom w1.5: 169.72,67.75 J3.1
Motor1+_t: length 18.1
  Top w1: 188.87,147.93 188.87,149.2 187.2,150.87 176.01,150.87 J12.7
  Top w1.5: 188.87,147.92 188.87,147.93
Motor1-: length 13
  Bottom w1: J10.8 171.35,54.98 168.75,57.58 168.75,64.8
  Bottom w1.5: 168.75,64.8 J3.2
Motor1-_t: length 19.4
  Top w1: J12.8 173.96,145.77 190.45,145.77 191.41,146.72 191.41,147.92
Motor2+: length 13.9
  Bottom w1: J11.7 242.65,57.52 246.96,61.82 246.96,66.17 245.8,67.32
  Bottom w1.5: 245.8,67.32 J4.1
Motor2+_t: length 49.2
  Top w1: 242.28,148.56 238.53,144.81 198.3,144.81 196.49,146.63 196.49,147.7
  Top w1.5: TB1.10 196.49,147.7 ; 242.28,148.56 J13.7
Motor2-: length 6.4
  Bottom w1: 241.63,60.06 244.6,63.03 244.6,64.22 J4.2
  Bottom w1.5: J11.6 241.63,60.06
Motor2-_t: length 50.4
  Top w1.5: 193.95,147.92 193.95,147.93
  Bottom w1: J13.6 195.92,151.1 193.95,149.13 193.95,147.92
N1: length 36.5
  Top w0.25: R100.1 73.9,10.7 47.75,10.7 44.96,7.91 J9.18
N2: length 27.8
  Top w0.25: R109.1 64.95,11.65 47.35,11.65 43.96,8.26 J9.16
N3: length 19.1
  Top w0.2: R118.1 55.9,12.6 ; J9.14 42.91,6.08
  Top w0.25: J9.14 42.96,8.76 46.8,12.6 55.9,12.6
N4: length 10.2
  Top w0.25: J9.12 41.96,8.96 46.77,13.78 R101.1
N5: length 8.8
  Top w0.25: R110.1 37.08,11.48 39.96,8.59 J9.8
N6: length 16.5
  Top w0.25: R119.1 33.58,13.78 38.96,8.39 J9.6
N7: length 25.2
  Top w0.25: J9.4 37.96,7.89 33.3,12.55 18.5,12.55 R102.1
N8: length 34
  Top w0.25: J9.2 36.96,7.51 33.37,11.1 9.9,11.1 R111.1
N9: length 23.2
  Top w0.25: R120.1 40.96,27.56 J9.10
PWMA: length 22.5
  Top w0.25: J8.3 177.95,77.27 184.25,83.58 193.68,83.58 194.91,82.34
  Top w0.3: 194.91,81.95 194.91,82.34
PWMA_t: length 6.7
  Bottom w0.3: 181.25,160.62 181.23,160.64 181.23,163.89 J5.3
PWMB: length 10
  Top w0.25: 202.52,81.93 195.88,75.3
  Top w0.3: 195.88,75.3 J8.10 ; BlackPill1.28 202.52,81.93
PWMB_t: length 5.9
  Bottom w0.3: 196.49,160.62 196.25,160.86 196.25,166.02 J5.10
Q1: length 71.2
  Top w0.25: U1.P9 31.33,123.87 arc(30.34,123.67) 29.5,123.11 27.48,121.08 27.48,121.07 17.25,110.08 7.16,99.98 arc(5.98,98.22) 5.56,96.13 5.56,94.35 arc(5.37,93.4) 4.84,92.6 R19.1
Q2: length 63.2
  Top w0.25: R20.1 7.7,103.38 29.46,125.14 U1.P8
Q3: length 53.7
  Top w0.25: U1.P7 26.98,126.41 13.75,113.18 R21.1
Q4: length 40.8
  Top w0.25: U1.P6 25.41,127.68 21.51,123.78 R79.1
Q5: length 29.4
  Top w0.25: U1.P5 29.98,128.95 R30.1
Q6: length 19.8
  Top w0.25: U1.P4 52.01,130.22 50.95,131.28 R33.1
Q7: length 12.8
  Top w0.25: U1.P3 54.84,131.49 50.05,136.28 50.05,137.79 R36.1
Q8: length 6.8
  Top w0.25: U1.P2 58.6,132.75 57.98,133.38 57.98,135.34 60.01,137.38 R80.1
Q9: length 6.4
  Top w0.25: R39.1 66.95,136.74 66.95,133.81 68,132.75 U1.P23
Q10: length 12.4
  Top w0.25: U1.P22 72.66,131.49 77.94,136.76 R42.1
Q11: length 19.7
  Top w0.25: U1.P21 76.26,130.22 77.17,131.12 R45.1
Q12: length 29.4
  Top w0.25: U1.P20 97.57,128.95 97.89,128.62 R81.1
Q13: length 40.9
  Top w0.25: R84.1 107.69,123.48 103.49,127.68 U1.P19
Q14: length 53.9
  Top w0.25: U1.P18 101.87,126.41 115.45,112.83 R87.1
Q15: length 62.9
  Top w0.25: R90.1 122.45,103.28 100.59,125.14 U1.P17
Q16: length 72.8
  Top w0.25: R93.1 123.42,91.73 122.4,92.74 122.4,100.05 98.58,123.87 U1.P16
RXD: length 28.7
  Top w0.25: BT2.3 185.86,93.94 197.45,82.34
  Top w0.3: 197.45,81.95 197.45,82.34
S0_mux: length 7.6
  Top w0.25: U1.P10 60,122.6 61.85,120.75 J2.6
S1_mux: length 5.9
  Top w0.25: J2.4 60.85,120.48 60,121.33 U1.P11
S2_mux: length 7.4
  Top w0.25: U1.P14 67.75,121.33 63.85,117.43 J2.10
S3_mux: length 5.7
  Top w0.25: J2.12 64.85,117.09 67.81,120.06 U1.P13
SNSR1: length 13
  Top w0.25: J7.3 210.78,104.53 210.78,103.88 211.01,103.65 211.49,103.65 211.5,103.66 211.51,103.65 211.72,103.65 215.25,100.13 217.77,100.13 BlackPill1.15 ; 210.78,104.3 210.75,104.33 210.75,104.48
SNSR2: length 11.2
  Top w0.25: J7.5 209.75,104.27 209.78,104.24 209.78,103.88 210.01,103.65 210.37,103.65 214.94,99.08 216.28,99.08 BlackPill1.14
SNSR3: length 10
  Top w0.25: 208.75,104.48 208.75,104.07 208.78,104.04 208.78,103.88 215.23,97.42 215.23,97.19
SNSR4: length 9.3
  Top w0.25: 207.75,104.48 207.75,102.53 212.69,97.58 212.69,97.19
SNSR5: length 9.1
  Top w0.25: 210.15,97.19 210.15,97.58 205.75,101.99 205.75,104.48
SNSR6: length 8.5
  Top w0.25: 204.75,104.48 204.75,100.45 207.61,97.58 207.61,97.19
SNSR7: length 7.8
  Top w0.25: 205.07,97.19 205.07,97.58 203.75,98.91 203.75,104.48
SNSR8: length 7.4
  Top w0.25: 202.53,97.19 202.52,97.2 202.52,102.66 202.68,102.82 202.68,103.02 202.7,103.04 202.7,103.86 202.72,103.88 202.72,104.5 J7.19
SNSR9: length 14.8
  Top w0.25: 206.75,104.48 206.75,105.48 202.08,105.48 201.43,104.83 201.43,99.05 199.99,97.61 199.99,97.19
STATE: length 49
  Top w0.25: 215.23,82.89 202.5,95.63 177.29,95.63 BT2.1
  Top w0.3: 215.23,81.95 215.23,82.89
T1: length 38.6
  Top w0.25: J6.18 52.3,47.8 52.3,48.54 52.3,48.55 52.3,48.72 53.86,50.28 84.76,50.28 R51.2
T2: length 28.2
  Top w0.25: J6.16 51.27,49.03 53.42,51.18 74.16,51.18 R54.2
T3: length 18
  Top w0.25: J6.14 50.27,49.03 53.27,52.03 63.61,52.03 R57.2
T4: length 7.5
  Top w0.25: J6.12 49.27,49.04 R60.2
T5: length 7.4
  Top w0.25: 47.27,48.93 J6.8
  Top w0.3: R63.2 47.27,49.36 47.27,48.93
T6: length 18.8
  Top w0.25: J6.6 46.27,49.23 43.32,52.18 31.96,52.18 R66.2
T7: length 29
  Top w0.25: J6.4 45.27,49.03 43.17,51.12 21.66,51.12 R69.2
T8: length 39.4
  Top w0.25: J6.2 44.27,48.93 43.12,50.08 11.41,50.08 R72.2
T9: length 19.3
  Top w0.25: R75.2 49.12,65.96 49.12,50.02 48.27,49.17 J6.10 48.3,47.8
TXD: length 32.3
  Top w0.25: 199.99,82.34 187.51,94.83 175.55,94.83 BT2.2
  Top w0.3: 199.99,81.95 199.99,82.34
Net-(C1-Pad1): length 6.6
  Top w0.25: 235.33,89.31 234.51,88.49 R1.1 ; 235.33,89.31 SW2.1 ; 235.33,89.31 C1.1
Net-(C2-Pad1): length 6.8
  Top w0.25: SW3.1 238.88,93.03 R2.1 234.56,93.08 C2.1
Net-(D1-A): length 2.7
  Top w0.3: D1.2 8.85,166.9 R3.2
Net-(D2-A): length 2.9
  Top w0.3: R8.2 31.18,168.8 D2.2
Net-(D3-A): length 2.4
  Top w0.3: D3.2 65.47,168.4 R9.2
Net-(D4-A): length 2.5
  Top w0.3: 76.92,166.42 76.92,168.85 R10.2
Net-(D5-A): length 2.5
  Top w0.3: R11.2 88.38,168.45 D5.2
Net-(D6-A): length 3.2
  Top w0.25: D6.2 50.48,184.08 R12.2
Net-(D7-A): length 2.3
  Top w0.3: R13.2 19.9,166.5 19.77,166.37
Net-(D8-A): length 2.3
  Top w0.3: D8.2 42.65,168.68 R14.2
Net-(D9-A): length 2.4
  Top w0.3: R15.2 54.35,166.7 D9.2
Net-(Q1-C): length 5.7
  Top w0.25: R7.2 91.18,173.09 Q1.1 88.71,170.62 R4.1
Net-(Q2-C): length 5.4
  Top w0.25: R16.1 56.45,172.87 Q2.1 57.23,173.49 R17.2
Net-(Q3-C): length 5.4
  Top w0.25: R121.2 22.68,173.19 Q3.1 20.07,170.57 R18.1
